# Altium PCB FX_HT32.PcbDoc (part 2 of 3)
Units mil, origin at the board's own origin, x right, y up, seen from the top; angles counter-clockwise.
Board outline 4186 x 4124 mil, 2 copper layers (Top Layer, Bottom Layer); 60 components, 114 nets, 280 pads, 2 vias.
Unrouted connection lines stored in the file: 13.
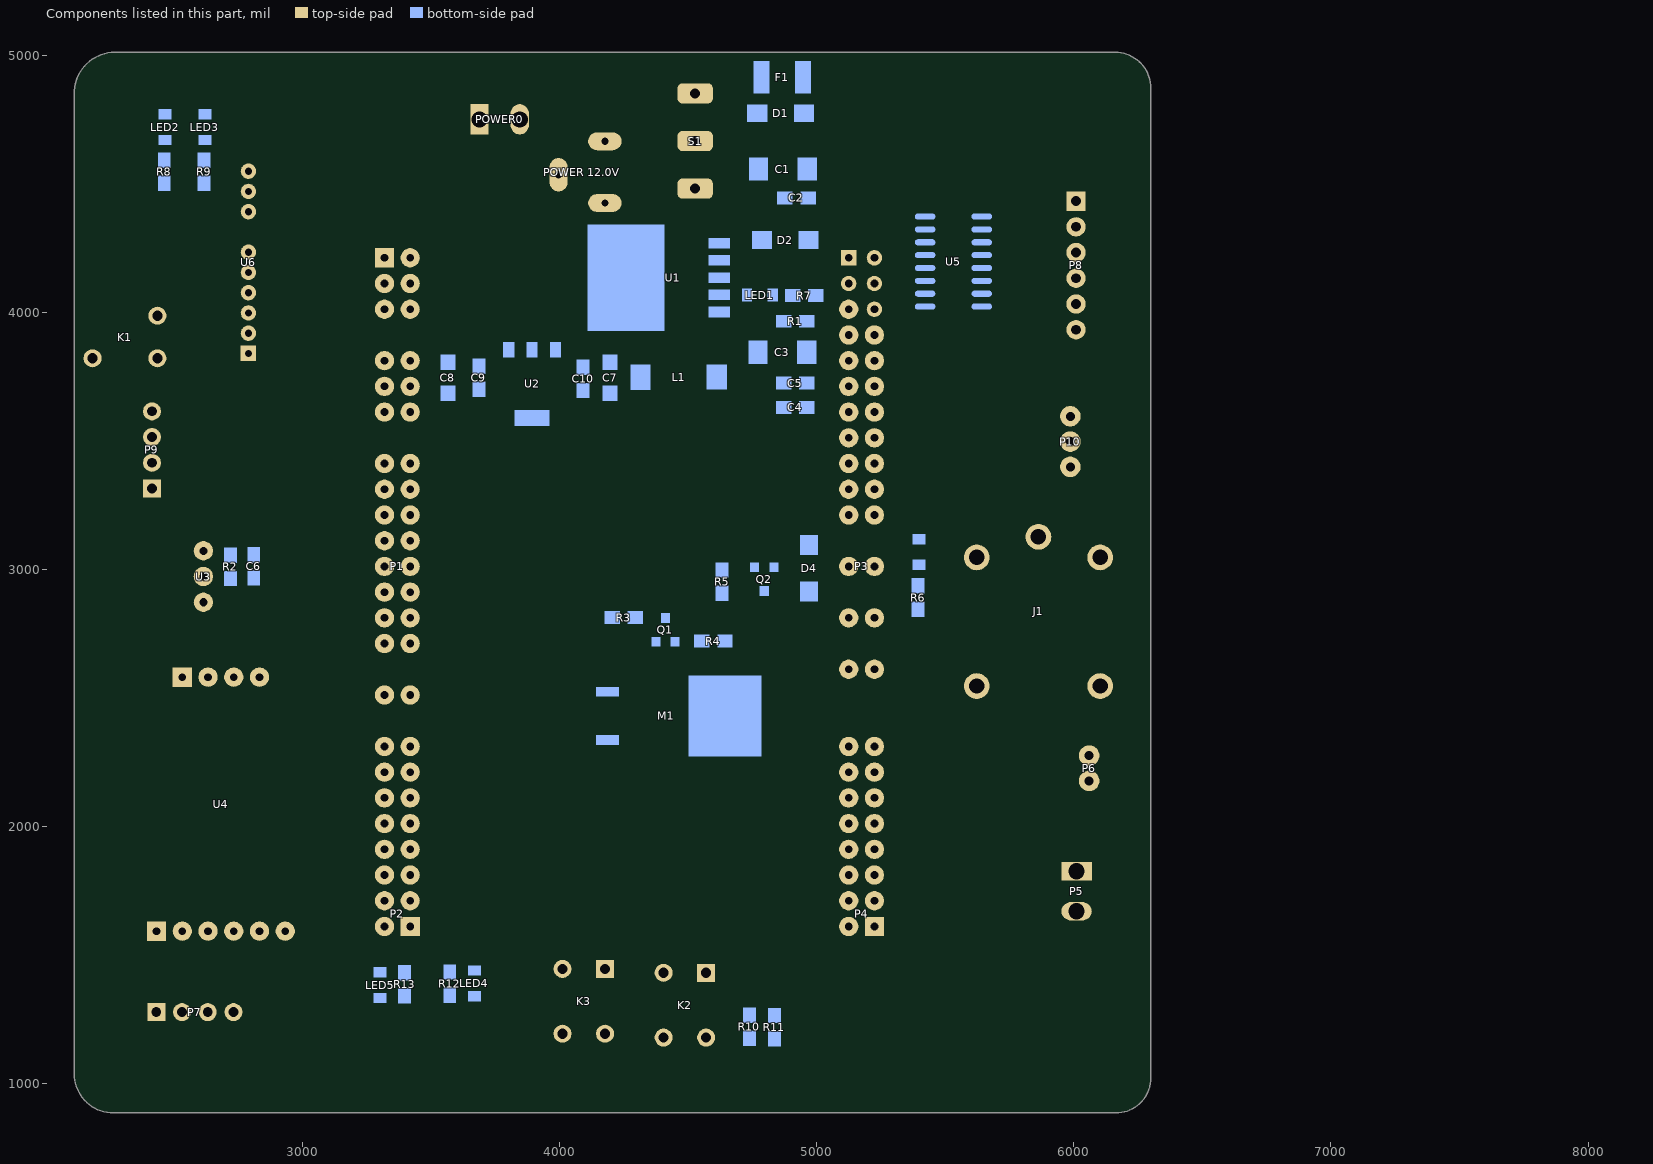
[diagram p2: the components of this part, seen from the top]

## Via types
v1: diameter 30, hole 15, Top Layer to Bottom Layer, 2 vias

## Nets (pads, with @x,y where several pads share a name; then routed paths per layer and width w, separated by ;. In a path a pad name is that pad's centre, name@x,y a point inside that pad or via, vN(x,y) a via of type N, cw(c..) or ccw(c..) an arc to the next point about the centre after c; other vN are vias at no path point) (continued)
copper on no net: (continued)
  Top Layer w2: 3616.28,3032.9 3626.28,3032.9 ; 3616.28,3034.9 3626.28,3034.9 ; 3616.28,3036.9 3624.28,3036.9 ; 3616.28,3038.9 3624.28,3038.9 ; 3616.28,3040.9 3624.28,3040.9 ; 3616.28,3042.9 3624.28,3042.9 ; 3616.28,3044.9 3626.28,3044.9 ; 3616.28,3046.9 3626.28,3046.9 ; 3616.28,3048.9 3626.28,3048.9 ; 3616.28,3050.9 3626.28,3050.9 ; 3618.28,3010.9 3626.28,3010.9 ; 3618.28,3012.9 3626.28,3012.9 ; 3618.28,3014.9 3626.28,3014.9 ; 3618.28,3016.9 3626.28,3016.9 ; 3618.28,3018.9 3626.28,3018.9 ; 3618.28,3020.9 3626.28,3020.9 ; 3618.28,3022.9 3626.28,3022.9 ; 3618.28,3024.9 3626.28,3024.9 ; 3618.28,3026.9 3626.28,3026.9 ; 3618.28,3028.9 3626.28,3028.9 ; 3618.28,3030.9 3626.28,3030.9 ; 3618.28,3052.9 3626.28,3052.9 ; 3618.28,3054.9 3626.28,3054.9 ; 3618.28,3056.9 3626.28,3056.9 ; 3618.28,3058.9 3626.28,3058.9 ; 3618.28,3060.9 3626.28,3060.9 ; 3618.28,3062.9 3626.28,3062.9 ; 3618.28,3064.9 3626.28,3064.9 ; 3618.28,3066.9 3626.28,3066.9 ; 3618.28,3068.9 3626.28,3068.9 ; 3618.28,3070.9 3626.28,3070.9 ; 3620.28,2996.9 3628.28,2996.9 ; 3620.28,2998.9 3628.28,2998.9 ; 3620.28,3000.9 3628.28,3000.9 ; 3620.28,3002.9 3628.28,3002.9 ; 3620.28,3004.9 3628.28,3004.9 ; 3620.28,3006.9 3626.28,3006.9 ; 3620.28,3008.9 3626.28,3008.9 ; 3620.28,3072.9 3626.28,3072.9 ; 3620.28,3074.9 3628.28,3074.9 ; 3620.28,3076.9 3628.28,3076.9 ; 3620.28,3078.9 3628.28,3078.9 ; 3620.28,3080.9 3628.28,3080.9 ; 3620.28,3082.9 3628.28,3082.9 ; 3620.28,3084.9 3630.28,3084.9 ; 3622.28,2984.9 3630.28,2984.9 ; 3622.28,2986.9 3630.28,2986.9 ; 3622.28,2988.9 3630.28,2988.9 ; 3622.28,2990.9 3630.28,2990.9 ; 3622.28,2992.9 3630.28,2992.9 ; 3622.28,2994.9 3628.28,2994.9 ; 3622.28,3086.9 3630.28,3086.9 ; 3622.28,3088.9 3630.28,3088.9 ; 3622.28,3090.9 3630.28,3090.9 ; 3622.28,3092.9 3630.28,3092.9 ; 3622.28,3094.9 3630.28,3094.9 ; 3624.28,2976.9 3632.28,2976.9 ; 3624.28,2978.9 3632.28,2978.9 ; 3624.28,2980.9 3632.28,2980.9 ; 3624.28,2982.9 3632.28,2982.9 ; 3624.28,3096.9 3632.28,3096.9 ; 3624.28,3098.9 3632.28,3098.9 ; 3624.28,3100.9 3632.28,3100.9 ; 3624.28,3102.9 3632.28,3102.9 ; 3626.28,2970.9 3634.28,2970.9 ; 3626.28,2972.9 3634.28,2972.9 ; 3626.28,2974.9 3634.28,2974.9 ; 3626.28,3104.9 3634.28,3104.9 ; 3626.28,3106.9 3634.28,3106.9 ; 3626.28,3108.9 3634.28,3108.9 ; 3626.28,3110.9 3634.28,3110.9 ; 3628.28,2962.9 3636.28,2962.9 ; 3628.28,2964.9 3636.28,2964.9 ; 3628.28,2966.9 3636.28,2966.9 ; 3628.28,2968.9 3634.28,2968.9 ; 3628.28,3112.9 3636.28,3112.9 ; 3628.28,3114.9 3636.28,3114.9 ; 3628.28,3116.9 3636.28,3116.9 ; 3630.28,2954.9 3640.28,2954.9 ; 3630.28,2956.9 3638.28,2956.9 ; 3630.28,2958.9 3638.28,2958.9 ; 3630.28,2960.9 3636.28,2960.9 ; 3630.28,3118.9 3638.28,3118.9 ; 3630.28,3120.9 3638.28,3120.9 ; 3630.28,3122.9 3638.28,3122.9 ; 3632.28,2950.9 3640.28,2950.9 ; 3632.28,2952.9 3640.28,2952.9 ; 3632.28,3124.9 3640.28,3124.9 ; 3632.28,3126.9 3640.28,3126.9 ; 3632.28,3128.9 3640.28,3128.9 ; 3632.28,3130.9 3642.28,3130.9 ; 3634.28,2944.9 3644.28,2944.9 ; 3634.28,2946.9 3642.28,2946.9 ; 3634.28,2948.9 3642.28,2948.9 ; 3634.28,3132.9 3642.28,3132.9 ; 3634.28,3134.9 3642.28,3134.9 ; 3636.28,2940.9 3644.28,2940.9 ; 3636.28,2942.9 3644.28,2942.9 ; 3636.28,3136.9 3644.28,3136.9 ; 3636.28,3138.9 3644.28,3138.9 ; 3638.28,2934.9 3648.28,2934.9 ; 3638.28,2936.9 3646.28,2936.9 ; 3638.28,2938.9 3646.28,2938.9 ; 3638.28,3020.9 3666.28,3020.9 ; 3638.28,3022.9 3664.28,3022.9 ; 3638.28,3024.9 3664.28,3024.9 ; 3638.28,3026.9 3664.28,3026.9 ; 3638.28,3028.9 3688.28,3028.9 ; 3638.28,3030.9 3690.28,3030.9 ; 3638.28,3032.9 3694.28,3032.9 ; 3638.28,3034.9 3696.28,3034.9 ; 3638.28,3036.9 3698.28,3036.9 ; 3638.28,3038.9 3698.28,3038.9 ; 3638.28,3040.9 3700.28,3040.9 ; 3638.28,3042.9 3728.28,3042.9 ; 3638.28,3044.9 3728.28,3044.9 ; 3638.28,3046.9 3728.28,3046.9 ; 3638.28,3048.9 3728.28,3048.9 ; 3638.28,3050.9 3728.28,3050.9 ; 3638.28,3052.9 3728.28,3052.9 ; 3638.28,3054.9 3728.28,3054.9 ; 3638.28,3056.9 3730.28,3056.9 ; 3638.28,3058.9 3730.28,3058.9 ; 3638.28,3140.9 3646.28,3140.9 ; 3638.28,3142.9 3646.28,3142.9 ; 3638.28,3144.9 3648.28,3144.9 ; 3640.28,2930.9 3650.28,2930.9 ; 3640.28,2932.9 3648.28,2932.9 ; 3640.28,3004.9 3702.28,3004.9 ; 3640.28,3006.9 3700.28,3006.9 ; 3640.28,3008.9 3696.28,3008.9 ; 3640.28,3010.9 3666.28,3010.9 ; 3640.28,3012.9 3666.28,3012.9 ; 3640.28,3014.9 3666.28,3014.9 ; 3640.28,3016.9 3666.28,3016.9 ; 3640.28,3018.9 3666.28,3018.9 ; 3640.28,3060.9 3730.28,3060.9 ; 3640.28,3062.9 3730.28,3062.9 ; 3640.28,3064.9 3730.28,3064.9 ; 3640.28,3066.9 3730.28,3066.9 ; 3640.28,3068.9 3732.28,3068.9 ; 3640.28,3070.9 3732.28,3070.9 ; 3640.28,3072.9 3732.28,3072.9 ; 3640.28,3074.9 3732.28,3074.9 ; 3640.28,3076.9 3732.28,3076.9 ; 3640.28,3146.9 3648.28,3146.9 ; 3640.28,3148.9 3650.28,3148.9 ; 3642.28,2926.9 3650.28,2926.9 ; 3642.28,2928.9 3650.28,2928.9 ; 3642.28,2992.9 3704.28,2992.9 ; 3642.28,2994.9 3698.28,2994.9 ; 3642.28,2996.9 3696.28,2996.9 ; 3642.28,2998.9 3702.28,2998.9 ; 3642.28,3000.9 3734.28,3000.9 ; 3642.28,3002.9 3704.28,3002.9 ; 3642.28,3078.9 3734.28,3078.9 ; 3642.28,3080.9 3734.28,3080.9 ; 3642.28,3082.9 3734.28,3082.9 ; 3642.28,3084.9 3734.28,3084.9 ; 3642.28,3086.9 3736.28,3086.9 ; 3642.28,3150.9 3650.28,3150.9 ; 3642.28,3152.9 3652.28,3152.9 ; 3644.28,2922.9 3654.28,2922.9 ; 3644.28,2924.9 3652.28,2924.9 ; 3644.28,2984.9 3702.28,2984.9 ; 3644.28,2986.9 3706.28,2986.9 ; 3644.28,2988.9 3706.28,2988.9 ; 3644.28,2990.9 3706.28,2990.9 ; 3644.28,3088.9 3736.28,3088.9 ; 3644.28,3090.9 3736.28,3090.9 ; 3644.28,3092.9 3738.28,3092.9 ; 3644.28,3094.9 3738.28,3094.9 ; 3644.28,3154.9 3652.28,3154.9 ; 3644.28,3156.9 3652.28,3156.9 ; 3644.28,3158.9 3654.28,3158.9 ; 3646.28,2918.9 3656.28,2918.9 ; 3646.28,2920.9 3654.28,2920.9 ; 3646.28,2976.9 3672.28,2976.9 ; 3646.28,2978.9 3674.28,2978.9 ; 3646.28,2980.9 3672.28,2980.9 ; 3646.28,2982.9 3696.28,2982.9 ; 3646.28,3096.9 3740.28,3096.9 ; 3646.28,3098.9 3740.28,3098.9 ; 3646.28,3100.9 3740.28,3100.9 ; 3646.28,3102.9 3742.28,3102.9 ; 3646.28,3160.9 3654.28,3160.9 ; 3646.28,3162.9 3656.28,3162.9 ; 3648.28,2914.9 3658.28,2914.9 ; 3648.28,2916.9 3656.28,2916.9 ; 3648.28,2968.9 3676.28,2968.9 ; 3648.28,2970.9 3676.28,2970.9 ; 3648.28,2972.9 3674.28,2972.9 ; 3648.28,2974.9 3674.28,2974.9 ; 3648.28,3104.9 3742.28,3104.9 ; 3648.28,3106.9 3744.28,3106.9 ; 3648.28,3108.9 3744.28,3108.9 ; 3648.28,3110.9 3746.28,3110.9 ; 3648.28,3164.9 3658.28,3164.9 ; 3650.28,2910.9 3660.28,2910.9 ; 3650.28,2912.9 3658.28,2912.9 ; 3650.28,2962.9 3716.28,2962.9 ; 3650.28,2964.9 3676.28,2964.9 ; 3650.28,2966.9 3676.28,2966.9 ; 3650.28,3112.9 3746.28,3112.9 ; 3650.28,3114.9 3748.28,3114.9 ; 3650.28,3116.9 3748.28,3116.9 ; 3650.28,3166.9 3658.28,3166.9 ; 3650.28,3168.9 3660.28,3168.9 ; 3652.28,2908.9 3660.28,2908.9 ; 3652.28,2956.9 3716.28,2956.9 ; 3652.28,2958.9 3718.28,2958.9 ; 3652.28,2960.9 3716.28,2960.9 ; 3652.28,3118.9 3750.28,3118.9 ; 3652.28,3120.9 3752.28,3120.9 ; 3652.28,3122.9 3752.28,3122.9 ; 3652.28,3170.9 3660.28,3170.9 ; 3652.28,3172.9 3662.28,3172.9 ; 3654.28,2904.9 3662.28,2904.9 ; 3654.28,2906.9 3662.28,2906.9 ; 3654.28,2950.9 3704.28,2950.9 ; 3654.28,2952.9 3706.28,2952.9 ; 3654.28,2954.9 3712.28,2954.9 ; 3654.28,3124.9 3754.28,3124.9 ; 3654.28,3126.9 3756.28,3126.9 ; 3654.28,3174.9 3662.28,3174.9 ; 3656.28,2900.9 3666.28,2900.9 ; 3656.28,2902.9 3664.28,2902.9 ; 3656.28,2946.9 3684.28,2946.9 ; 3656.28,2948.9 3700.28,2948.9 ; 3656.28,3128.9 3756.28,3128.9 ; 3656.28,3130.9 3758.28,3130.9 ; 3656.28,3132.9 3760.28,3132.9 ; 3656.28,3176.9 3664.28,3176.9 ; 3656.28,3178.9 3666.28,3178.9 ; 3658.28,2898.9 3666.28,2898.9 ; 3658.28,2940.9 3688.28,2940.9 ; 3658.28,2942.9 3686.28,2942.9 ; 3658.28,2944.9 3684.28,2944.9 ; 3658.28,3134.9 3760.28,3134.9 ; 3658.28,3136.9 3762.28,3136.9 ; 3658.28,3180.9 3666.28,3180.9 ; 3658.28,3182.9 3668.28,3182.9 ; 3660.28,2894.9 3670.28,2894.9 ; 3660.28,2896.9 3668.28,2896.9 ; 3660.28,2936.9 3690.28,2936.9 ; 3660.28,2938.9 3688.28,2938.9 ; 3660.28,3138.9 3764.28,3138.9 ; 3660.28,3140.9 3766.28,3140.9 ; 3660.28,3142.9 3768.28,3142.9 ; 3660.28,3184.9 3670.28,3184.9 ; 3662.28,2890.9 3668.28,2890.9 ; 3662.28,2892.9 3670.28,2892.9 ; 3662.28,2932.9 3692.28,2932.9 ; 3662.28,2934.9 3690.28,2934.9 ; 3662.28,3144.9 3754.28,3144.9 ; 3662.28,3146.9 3770.28,3146.9 ; 3662.28,3186.9 3670.28,3186.9 ; 3664.28,2888.9 3674.28,2888.9 ; 3664.28,2928.9 3690.28,2928.9 ; 3664.28,2930.9 3690.28,2930.9 ; 3664.28,3148.9 3772.28,3148.9 ; 3664.28,3150.9 3764.28,3150.9 ; 3664.28,3188.9 3672.28,3188.9 ; 3664.28,3190.9 3674.28,3190.9 ; 3666.28,2884.9 3676.28,2884.9 ; 3666.28,2886.9 3676.28,2886.9 ; 3666.28,2924.9 3708.28,2924.9 ; 3666.28,2926.9 3712.28,2926.9 ; 3666.28,3152.9 3738.28,3152.9 ; 3666.28,3154.9 3738.28,3154.9 ; 3666.28,3192.9 3674.28,3192.9 ; 3666.28,3194.9 3676.28,3194.9 ; 3668.28,2882.9 3674.28,2882.9 ; 3668.28,2920.9 3704.28,2920.9 ; 3668.28,2922.9 3706.28,2922.9 ; 3668.28,3024.9 3684.28,3024.9 ; 3668.28,3026.9 3686.28,3026.9 ; 3668.28,3156.9 3736.28,3156.9 ; 3668.28,3158.9 3736.28,3158.9 ; 3670.28,2880.9 3680.28,2880.9 ; 3670.28,2890.9 3672.28,2890.9 ; 3670.28,2916.9 3684.28,2916.9 ; 3670.28,2918.9 3704.28,2918.9 ; 3670.28,3010.9 3694.28,3010.9 ; 3670.28,3012.9 3690.28,3012.9 ; 3670.28,3014.9 3684.28,3014.9 ; 3670.28,3160.9 3736.28,3160.9 ; 3670.28,3196.9 3674.28,3196.9 ; 3670.28,3198.9 3680.28,3198.9 ; 3672.28,2876.9 3682.28,2876.9 ; 3672.28,2878.9 3682.28,2878.9 ; 3672.28,2914.9 3704.28,2914.9 ; 3672.28,3022.9 3674.28,3022.9 ; 3672.28,3162.9 3740.28,3162.9 ; 3672.28,3164.9 3742.28,3164.9 ; 3672.28,3200.9 3682.28,3200.9 ; 3672.28,3202.9 3682.28,3202.9 ; 3674.28,2874.9 3684.28,2874.9 ; 3674.28,2910.9 3706.28,2910.9 ; 3674.28,2912.9 3704.28,2912.9 ; 3674.28,3166.9 3744.28,3166.9 ; 3674.28,3168.9 3744.28,3168.9 ; 3674.28,3204.9 3684.28,3204.9 ; 3676.28,2872.9 3682.28,2872.9 ; 3676.28,2882.9 3678.28,2882.9 ; 3676.28,2908.9 3706.28,2908.9 ; 3676.28,2978.9 3680.28,2978.9 ; 3676.28,2980.9 3688.28,2980.9 ; 3676.28,3170.9 3744.28,3170.9 ; 3676.28,3196.9 3678.28,3196.9 ; 3676.28,3206.9 3686.28,3206.9 ; 3678.28,2870.9 3684.28,2870.9 ; 3678.28,2904.9 3710.28,2904.9 ; 3678.28,2906.9 3708.28,2906.9 ; 3678.28,3172.9 3718.28,3172.9 ; 3678.28,3174.9 3716.28,3174.9 ; 3678.28,3208.9 3684.28,3208.9 ; 3678.28,3210.9 3682.28,3210.9 ; 3680.28,2866.9 3690.28,2866.9 ; 3680.28,2868.9 3690.28,2868.9 ; 3680.28,2902.9 3712.28,2902.9 ; 3680.28,2964.9 3706.28,2964.9 ; 3680.28,2966.9 3706.28,2966.9 ; 3680.28,2968.9 3708.28,2968.9 ; 3680.28,3176.9 3716.28,3176.9 ; 3682.28,2864.9 3694.28,2864.9 ; 3682.28,2898.9 3746.28,2898.9 ; 3682.28,2900.9 3712.28,2900.9 ; 3682.28,2970.9 3710.28,2970.9 ; 3682.28,3178.9 3716.28,3178.9 ; 3682.28,3180.9 3716.28,3180.9 ; 3682.28,3212.9 3692.28,3212.9 ; 3682.28,3214.9 3694.28,3214.9 ; 3684.28,2862.9 3694.28,2862.9 ; 3684.28,2872.9 3686.28,2872.9 ; 3684.28,2896.9 3746.28,2896.9 ; 3684.28,3182.9 3718.28,3182.9 ; 3684.28,3210.9 3690.28,3210.9 ; 3684.28,3216.9 3694.28,3216.9 ; 3686.28,2860.9 3696.28,2860.9 ; 3686.28,2870.9 3688.28,2870.9 ; 3686.28,2892.9 3746.28,2892.9 ; 3686.28,2894.9 3746.28,2894.9 ; 3686.28,2916.9 3704.28,2916.9 ; 3686.28,3184.9 3720.28,3184.9 ; 3686.28,3208.9 3688.28,3208.9 ; 3686.28,3218.9 3696.28,3218.9 ; 3688.28,2858.9 3698.28,2858.9 ; 3688.28,2890.9 3726.28,2890.9 ; 3688.28,2946.9 3696.28,2946.9 ; 3688.28,2972.9 3704.28,2972.9 ; 3688.28,3022.9 3730.28,3022.9 ; 3688.28,3186.9 3722.28,3186.9 ; 3688.28,3188.9 3708.28,3188.9 ; 3688.28,3220.9 3698.28,3220.9 ; 3690.28,2856.9 3700.28,2856.9 ; 3690.28,2888.9 3724.28,2888.9 ; 3690.28,3020.9 3730.28,3020.9 ; 3690.28,3024.9 3730.28,3024.9 ; 3690.28,3190.9 3706.28,3190.9 ; 3690.28,3222.9 3700.28,3222.9 ; 3692.28,2854.9 3702.28,2854.9 ; 3692.28,2886.9 3728.28,2886.9 ; 3692.28,2928.9 3700.28,2928.9 ; 3692.28,2930.9 3724.28,2930.9 ; 3692.28,3192.9 3704.28,3192.9 ; 3692.28,3224.9 3702.28,3224.9 ; 3694.28,2852.9 3704.28,2852.9 ; 3694.28,2882.9 3754.28,2882.9 ; 3694.28,2884.9 3700.28,2884.9 ; 3694.28,2932.9 3724.28,2932.9 ; 3694.28,2934.9 3698.28,2934.9 ; 3694.28,2936.9 3730.28,2936.9 ; 3694.28,3018.9 3702.28,3018.9 ; 3694.28,3026.9 3728.28,3026.9 ; 3694.28,3194.9 3704.28,3194.9 ; 3694.28,3226.9 3704.28,3226.9 ; 3696.28,2850.9 3706.28,2850.9 ; 3696.28,2880.9 3752.28,2880.9 ; 3696.28,2938.9 3766.28,2938.9 ; 3696.28,2974.9 3710.28,2974.9 ; 3696.28,3028.9 3700.28,3028.9 ; 3696.28,3196.9 3704.28,3196.9 ; 3696.28,3198.9 3706.28,3198.9 ; 3696.28,3228.9 3706.28,3228.9 ; 3698.28,2848.9 3710.28,2848.9 ; 3698.28,2878.9 3744.28,2878.9 ; 3698.28,3016.9 3702.28,3016.9 ; 3698.28,3030.9 3700.28,3030.9 ; 3698.28,3200.9 3718.28,3200.9 ; 3698.28,3230.9 3710.28,3230.9 ; 3700.28,2846.9 3712.28,2846.9 ; 3700.28,2876.9 3740.28,2876.9 ; 3700.28,2934.9 3726.28,2934.9 ; 3700.28,2976.9 3710.28,2976.9 ; 3700.28,3202.9 3720.28,3202.9 ; 3700.28,3232.9 3712.28,3232.9 ; 3702.28,2844.9 3714.28,2844.9 ; 3702.28,2874.9 3740.28,2874.9 ; 3702.28,2884.9 3728.28,2884.9 ; 3702.28,2928.9 3736.28,2928.9 ; 3702.28,2940.9 3764.28,2940.9 ; 3702.28,3028.9 3728.28,3028.9 ; 3702.28,3036.9 3728.28,3036.9 ; 3702.28,3038.9 3728.28,3038.9 ; 3702.28,3040.9 3728.28,3040.9 ; 3702.28,3204.9 3722.28,3204.9 ; 3702.28,3234.9 3714.28,3234.9 ; 3704.28,2842.9 3716.28,2842.9 ; 3704.28,2872.9 3706.28,2872.9 ; 3704.28,2942.9 3762.28,2942.9 ; 3704.28,3018.9 3730.28,3018.9 ; 3704.28,3030.9 3728.28,3030.9 ; 3704.28,3032.9 3728.28,3032.9 ; 3704.28,3034.9 3728.28,3034.9 ; 3704.28,3206.9 3734.28,3206.9 ; 3704.28,3236.9 3706.28,3236.9 ; 3706.28,2840.9 3718.28,2840.9 ; 3706.28,2870.9 3744.28,2870.9 ; 3706.28,2972.9 3710.28,2972.9 ; 3706.28,3002.9 3734.28,3002.9 ; 3706.28,3004.9 3732.28,3004.9 ; 3706.28,3006.9 3732.28,3006.9 ; 3706.28,3008.9 3732.28,3008.9 ; 3706.28,3010.9 3730.28,3010.9 ; 3706.28,3012.9 3730.28,3012.9 ; 3706.28,3014.9 3730.28,3014.9 ; 3706.28,3016.9 3730.28,3016.9 ; 3706.28,3208.9 3734.28,3208.9 ; 3706.28,3238.9 3708.28,3238.9 ; 3708.28,2838.9 3716.28,2838.9 ; 3708.28,2868.9 3746.28,2868.9 ; 3708.28,2872.9 3742.28,2872.9 ; 3708.28,2912.9 3716.28,2912.9 ; 3708.28,2944.9 3722.28,2944.9 ; 3708.28,2964.9 3748.28,2964.9 ; 3708.28,2978.9 3710.28,2978.9 ; 3708.28,2994.9 3736.28,2994.9 ; 3708.28,2996.9 3734.28,2996.9 ; 3708.28,2998.9 3734.28,2998.9 ; 3708.28,3210.9 3726.28,3210.9 ; 3708.28,3236.9 3716.28,3236.9 ; 3708.28,3240.9 3720.28,3240.9 ; 3710.28,2836.9 3724.28,2836.9 ; 3710.28,2866.9 3748.28,2866.9 ; 3710.28,2908.9 3752.28,2908.9 ; 3710.28,2910.9 3790.28,2910.9 ; 3710.28,2914.9 3726.28,2914.9 ; 3710.28,2916.9 3720.28,2916.9 ; 3710.28,2988.9 3736.28,2988.9 ; 3710.28,2990.9 3736.28,2990.9 ; 3710.28,2992.9 3736.28,2992.9 ; 3710.28,3198.9 3720.28,3198.9 ; 3710.28,3212.9 3732.28,3212.9 ; 3710.28,3238.9 3718.28,3238.9 ; 3710.28,3242.9 3724.28,3242.9 ; 3712.28,2864.9 3750.28,2864.9 ; 3712.28,2946.9 3758.28,2946.9 ; 3712.28,2966.9 3746.28,2966.9 ; 3712.28,2982.9 3738.28,2982.9 ; 3712.28,2984.9 3738.28,2984.9 ; 3712.28,2986.9 3738.28,2986.9 ; 3712.28,3214.9 3826.28,3214.9 ; 3714.28,2834.9 3726.28,2834.9 ; 3714.28,2862.9 3778.28,2862.9 ; 3714.28,2918.9 3716.28,2918.9 ; 3714.28,2976.9 3742.28,2976.9 ; 3714.28,2978.9 3740.28,2978.9 ; 3714.28,2980.9 3740.28,2980.9 ; 3714.28,3188.9 3724.28,3188.9 ; 3714.28,3216.9 3828.28,3216.9 ; 3714.28,3244.9 3726.28,3244.9 ; 3716.28,2832.9 3728.28,2832.9 ; 3716.28,2860.9 3770.28,2860.9 ; 3716.28,2900.9 3746.28,2900.9 ; 3716.28,2906.9 3720.28,2906.9 ; 3716.28,2926.9 3738.28,2926.9 ; 3716.28,2968.9 3746.28,2968.9 ; 3716.28,2970.9 3744.28,2970.9 ; 3716.28,2972.9 3744.28,2972.9 ; 3716.28,2974.9 3742.28,2974.9 ; 3716.28,3196.9 3718.28,3196.9 ; 3716.28,3218.9 3828.28,3218.9 ; 3716.28,3246.9 3728.28,3246.9 ; 3718.28,2830.9 3730.28,2830.9 ; 3718.28,2838.9 3720.28,2838.9 ; 3718.28,2858.9 3770.28,2858.9 ; 3718.28,2912.9 3732.28,2912.9 ; 3718.28,2948.9 3724.28,2948.9 ; 3718.28,3220.9 3828.28,3220.9 ; 3718.28,3248.9 3732.28,3248.9 ; 3720.28,2828.9 3734.28,2828.9 ; 3720.28,2856.9 3770.28,2856.9 ; 3720.28,2902.9 3734.28,2902.9 ; 3720.28,2960.9 3750.28,2960.9 ; 3720.28,2962.9 3750.28,2962.9 ; 3720.28,3222.9 3830.28,3222.9 ; 3720.28,3250.9 3734.28,3250.9 ; 3722.28,2826.9 3736.28,2826.9 ; 3722.28,2854.9 3770.28,2854.9 ; 3722.28,2924.9 3738.28,2924.9 ; 3722.28,2956.9 3752.28,2956.9 ; 3722.28,2958.9 3750.28,2958.9 ; 3722.28,3224.9 3830.28,3224.9 ; 3724.28,2852.9 3770.28,2852.9 ; 3724.28,2904.9 3748.28,2904.9 ; 3724.28,2906.9 3750.28,2906.9 ; 3724.28,2944.9 3760.28,2944.9 ; 3724.28,2952.9 3754.28,2952.9 ; 3724.28,2954.9 3754.28,2954.9 ; 3724.28,3190.9 3728.28,3190.9 ; 3724.28,3204.9 3736.28,3204.9 ; 3724.28,3226.9 3832.28,3226.9 ; 3724.28,3252.9 3736.28,3252.9 ; 3726.28,2824.9 3740.28,2824.9 ; 3726.28,2850.9 3770.28,2850.9 ; 3726.28,2948.9 3730.28,2948.9 ; 3726.28,2950.9 3756.28,2950.9 ; 3726.28,3178.9 3728.28,3178.9 ; 3726.28,3180.9 3734.28,3180.9 ; 3726.28,3202.9 3738.28,3202.9 ; 3726.28,3228.9 3830.28,3228.9 ; 3726.28,3254.9 3740.28,3254.9 ; 3728.28,2822.9 3732.28,2822.9 ; 3728.28,2922.9 3736.28,2922.9 ; 3728.28,2930.9 3734.28,2930.9 ; 3728.28,3172.9 3738.28,3172.9 ; 3728.28,3182.9 3732.28,3182.9 ; 3728.28,3200.9 3732.28,3200.9 ; 3728.28,3210.9 3732.28,3210.9 ; 3728.28,3256.9 3734.28,3256.9 ; 3730.28,2848.9 3774.28,2848.9 ; 3730.28,2890.9 3734.28,2890.9 ; 3730.28,3174.9 3736.28,3174.9 ; 3730.28,3198.9 3746.28,3198.9 ; 3730.28,3230.9 3748.28,3230.9 ; 3732.28,2820.9 3746.28,2820.9 ; 3732.28,2846.9 3778.28,2846.9 ; 3732.28,2948.9 3758.28,2948.9 ; 3732.28,3184.9 3738.28,3184.9 ; 3732.28,3196.9 3734.28,3196.9 ; 3732.28,3232.9 3818.28,3232.9 ; 3732.28,3258.9 3746.28,3258.9 ; 3734.28,2818.9 3750.28,2818.9 ; 3734.28,2822.9 3742.28,2822.9 ; 3734.28,2844.9 3782.28,2844.9 ; 3734.28,2912.9 3794.28,2912.9 ; 3734.28,3182.9 3736.28,3182.9 ; 3734.28,3186.9 3742.28,3186.9 ; 3734.28,3200.9 3740.28,3200.9 ; 3734.28,3234.9 3816.28,3234.9 ; 3734.28,3260.9 3750.28,3260.9 ; 3736.28,2816.9 3752.28,2816.9 ; 3736.28,2842.9 3786.28,2842.9 ; 3736.28,2902.9 3746.28,2902.9 ; 3736.28,2934.9 3770.28,2934.9 ; 3736.28,2936.9 3768.28,2936.9 ; 3736.28,3196.9 3738.28,3196.9 ; 3736.28,3256.9 3742.28,3256.9 ; 3738.28,2914.9 3786.28,2914.9 ; 3738.28,2932.9 3772.28,2932.9 ; 3738.28,3236.9 3816.28,3236.9 ; 3738.28,3262.9 3752.28,3262.9 ; 3740.28,2814.9 3756.28,2814.9 ; 3740.28,2840.9 3790.28,2840.9 ; 3740.28,2916.9 3788.28,2916.9 ; 3740.28,2930.9 3774.28,2930.9 ; 3740.28,3020.9 3744.28,3020.9 ; 3740.28,3022.9 3746.28,3022.9 ; 3740.28,3024.9 4028.28,3024.9 ; 3740.28,3026.9 4028.28,3026.9 ; 3740.28,3028.9 3744.28,3028.9 ; 3740.28,3030.9 3744.28,3030.9 ; 3740.28,3032.9 3744.28,3032.9 ; 3740.28,3034.9 3744.28,3034.9 ; 3740.28,3036.9 3744.28,3036.9 ; 3740.28,3038.9 3744.28,3038.9 ; 3740.28,3040.9 3744.28,3040.9 ; 3740.28,3042.9 3744.28,3042.9 ; 3740.28,3044.9 3744.28,3044.9 ; 3740.28,3046.9 3744.28,3046.9 ; 3740.28,3048.9 3744.28,3048.9 ; 3740.28,3050.9 3744.28,3050.9 ; 3740.28,3052.9 3744.28,3052.9 ; 3740.28,3054.9 3744.28,3054.9 ; 3740.28,3056.9 3744.28,3056.9 ; 3740.28,3058.9 3744.28,3058.9 ; 3740.28,3152.9 3746.28,3152.9 ; 3740.28,3188.9 3750.28,3188.9 ; 3740.28,3210.9 3748.28,3210.9 ; 3740.28,3212.9 3820.28,3212.9 ; 3740.28,3238.9 3816.28,3238.9 ; 3740.28,3264.9 3756.28,3264.9 ; 3742.28,2838.9 3794.28,2838.9 ; 3742.28,2876.9 3748.28,2876.9 ; 3742.28,2918.9 3786.28,2918.9 ; 3742.28,2920.9 3784.28,2920.9 ; 3742.28,2924.9 3778.28,2924.9 ; 3742.28,2926.9 3776.28,2926.9 ; 3742.28,2928.9 3774.28,2928.9 ; 3742.28,3008.9 3748.28,3008.9 ; 3742.28,3010.9 3746.28,3010.9 ; 3742.28,3012.9 3746.28,3012.9 ; 3742.28,3014.9 3746.28,3014.9 ; 3742.28,3016.9 3746.28,3016.9 ; 3742.28,3018.9 3746.28,3018.9 ; 3742.28,3060.9 3746.28,3060.9 ; 3742.28,3062.9 3746.28,3062.9 ; 3742.28,3064.9 3746.28,3064.9 ; 3742.28,3066.9 3746.28,3066.9 ; 3742.28,3068.9 3746.28,3068.9 ; 3742.28,3070.9 3748.28,3070.9 ; 3742.28,3190.9 3746.28,3190.9 ; 3742.28,3208.9 3820.28,3208.9 ; 3742.28,3240.9 3822.28,3240.9 ; 3744.28,2812.9 3760.28,2812.9 ; 3744.28,2922.9 3782.28,2922.9 ; 3744.28,3002.9 3748.28,3002.9 ; 3744.28,3004.9 3748.28,3004.9 ; 3744.28,3006.9 3748.28,3006.9 ; 3744.28,3072.9 3748.28,3072.9 ; 3744.28,3074.9 3748.28,3074.9 ; 3744.28,3076.9 3748.28,3076.9 ; 3744.28,3078.9 3750.28,3078.9 ; 3744.28,3154.9 3754.28,3154.9 